# Altium PCB Sistem Tasarim PCB.PcbDoc
Units mil, origin at the board's own origin, x right, y up, seen from the top; angles counter-clockwise.
Board outline 3937.01 x 3937.01 mil, 4 copper layers (Top Layer, Int1 (GND), Int2 (PWR), Bottom Layer), stack 53.912 mil thick; 102 components, 68 nets, 320 pads, 4 vias.
Unrouted connection lines stored in the file: 131.
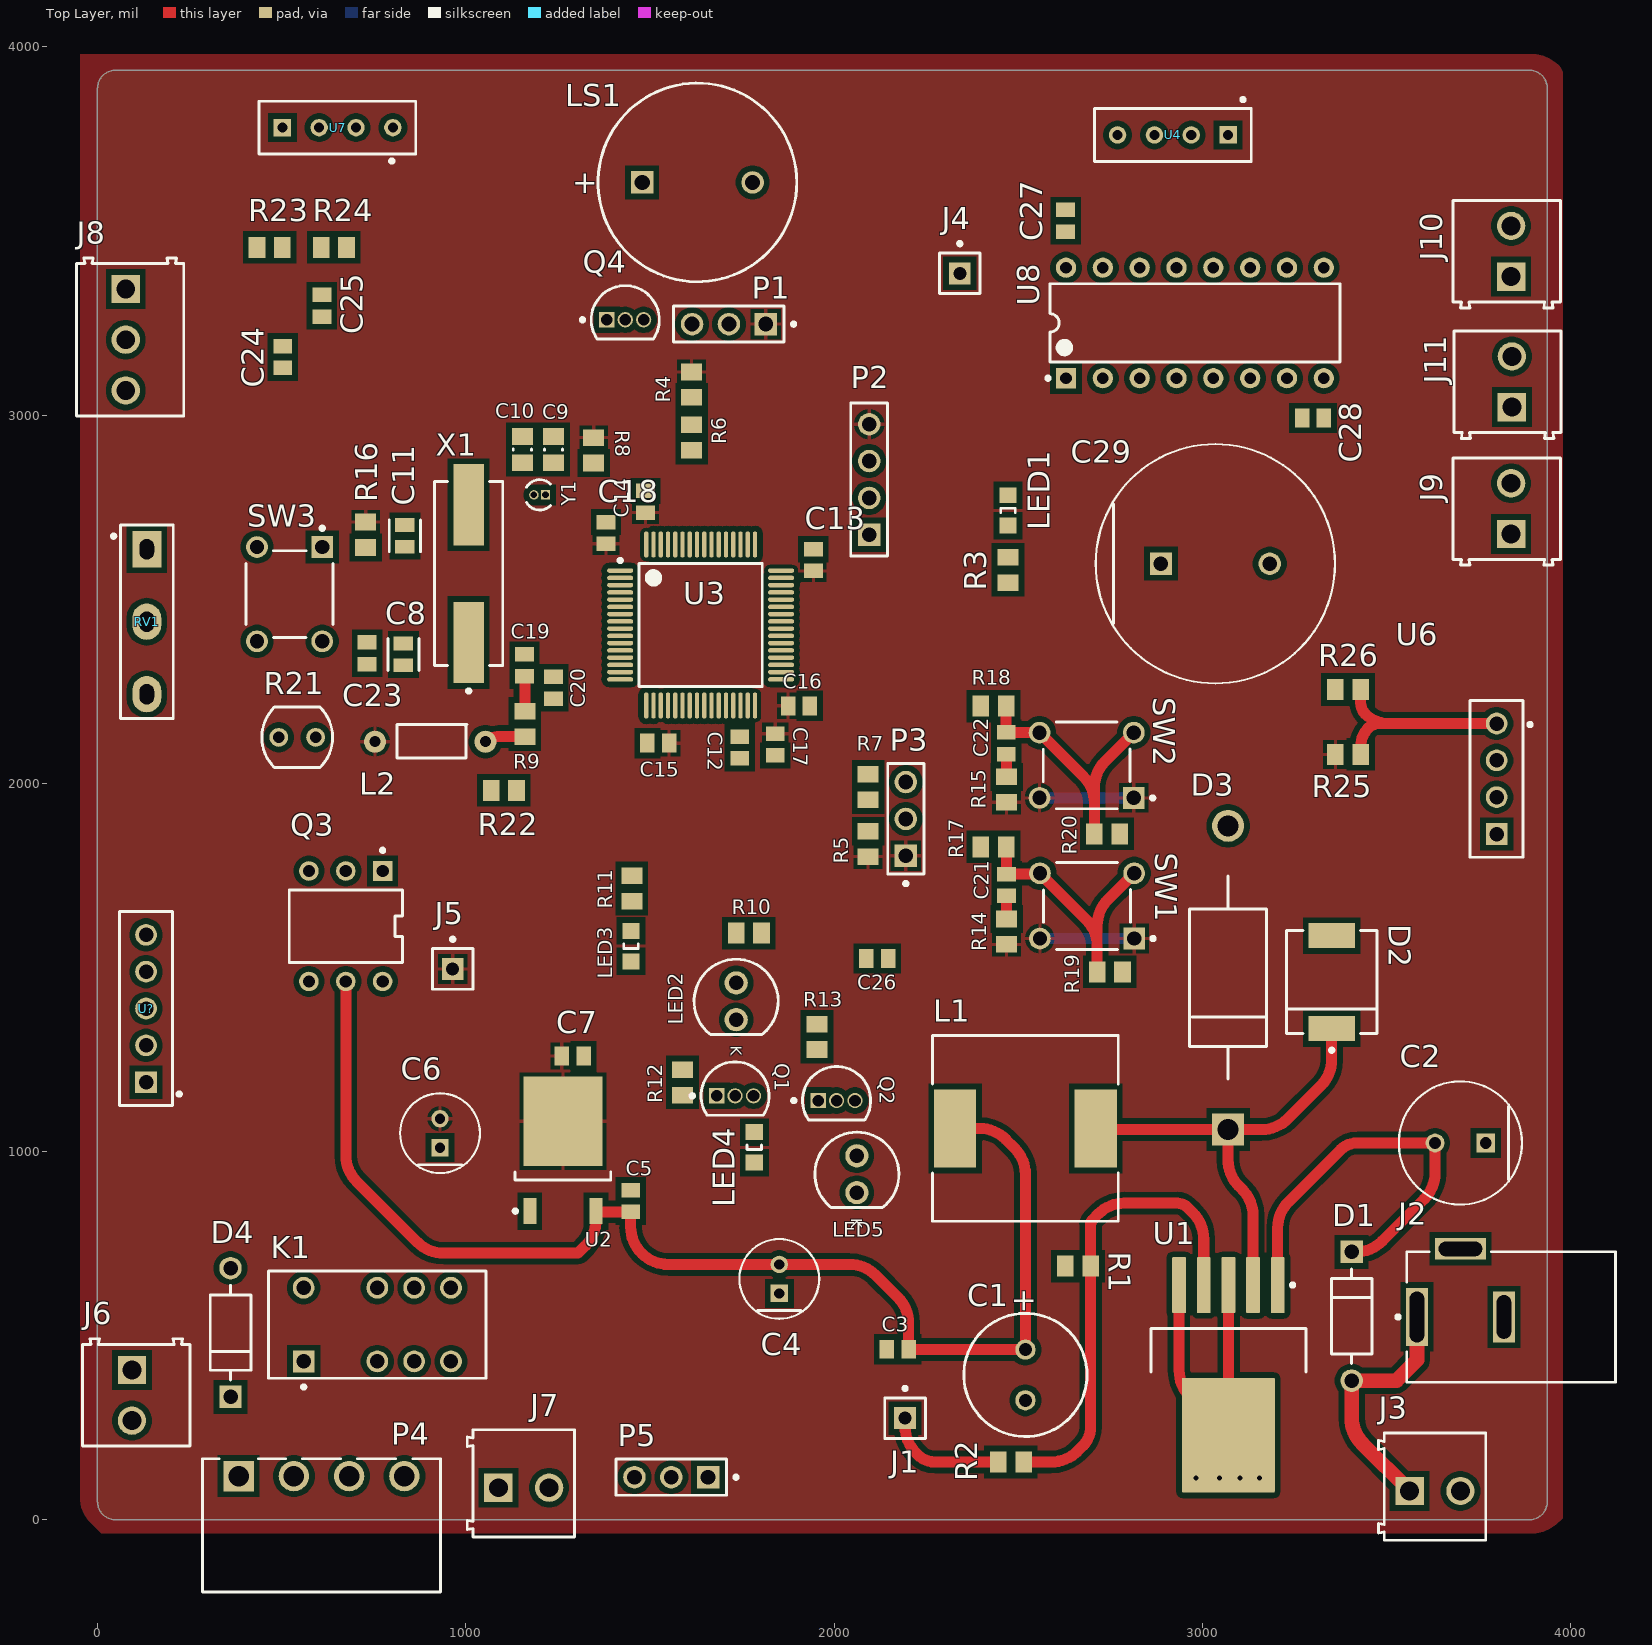
[diagram p0: Top Layer view]
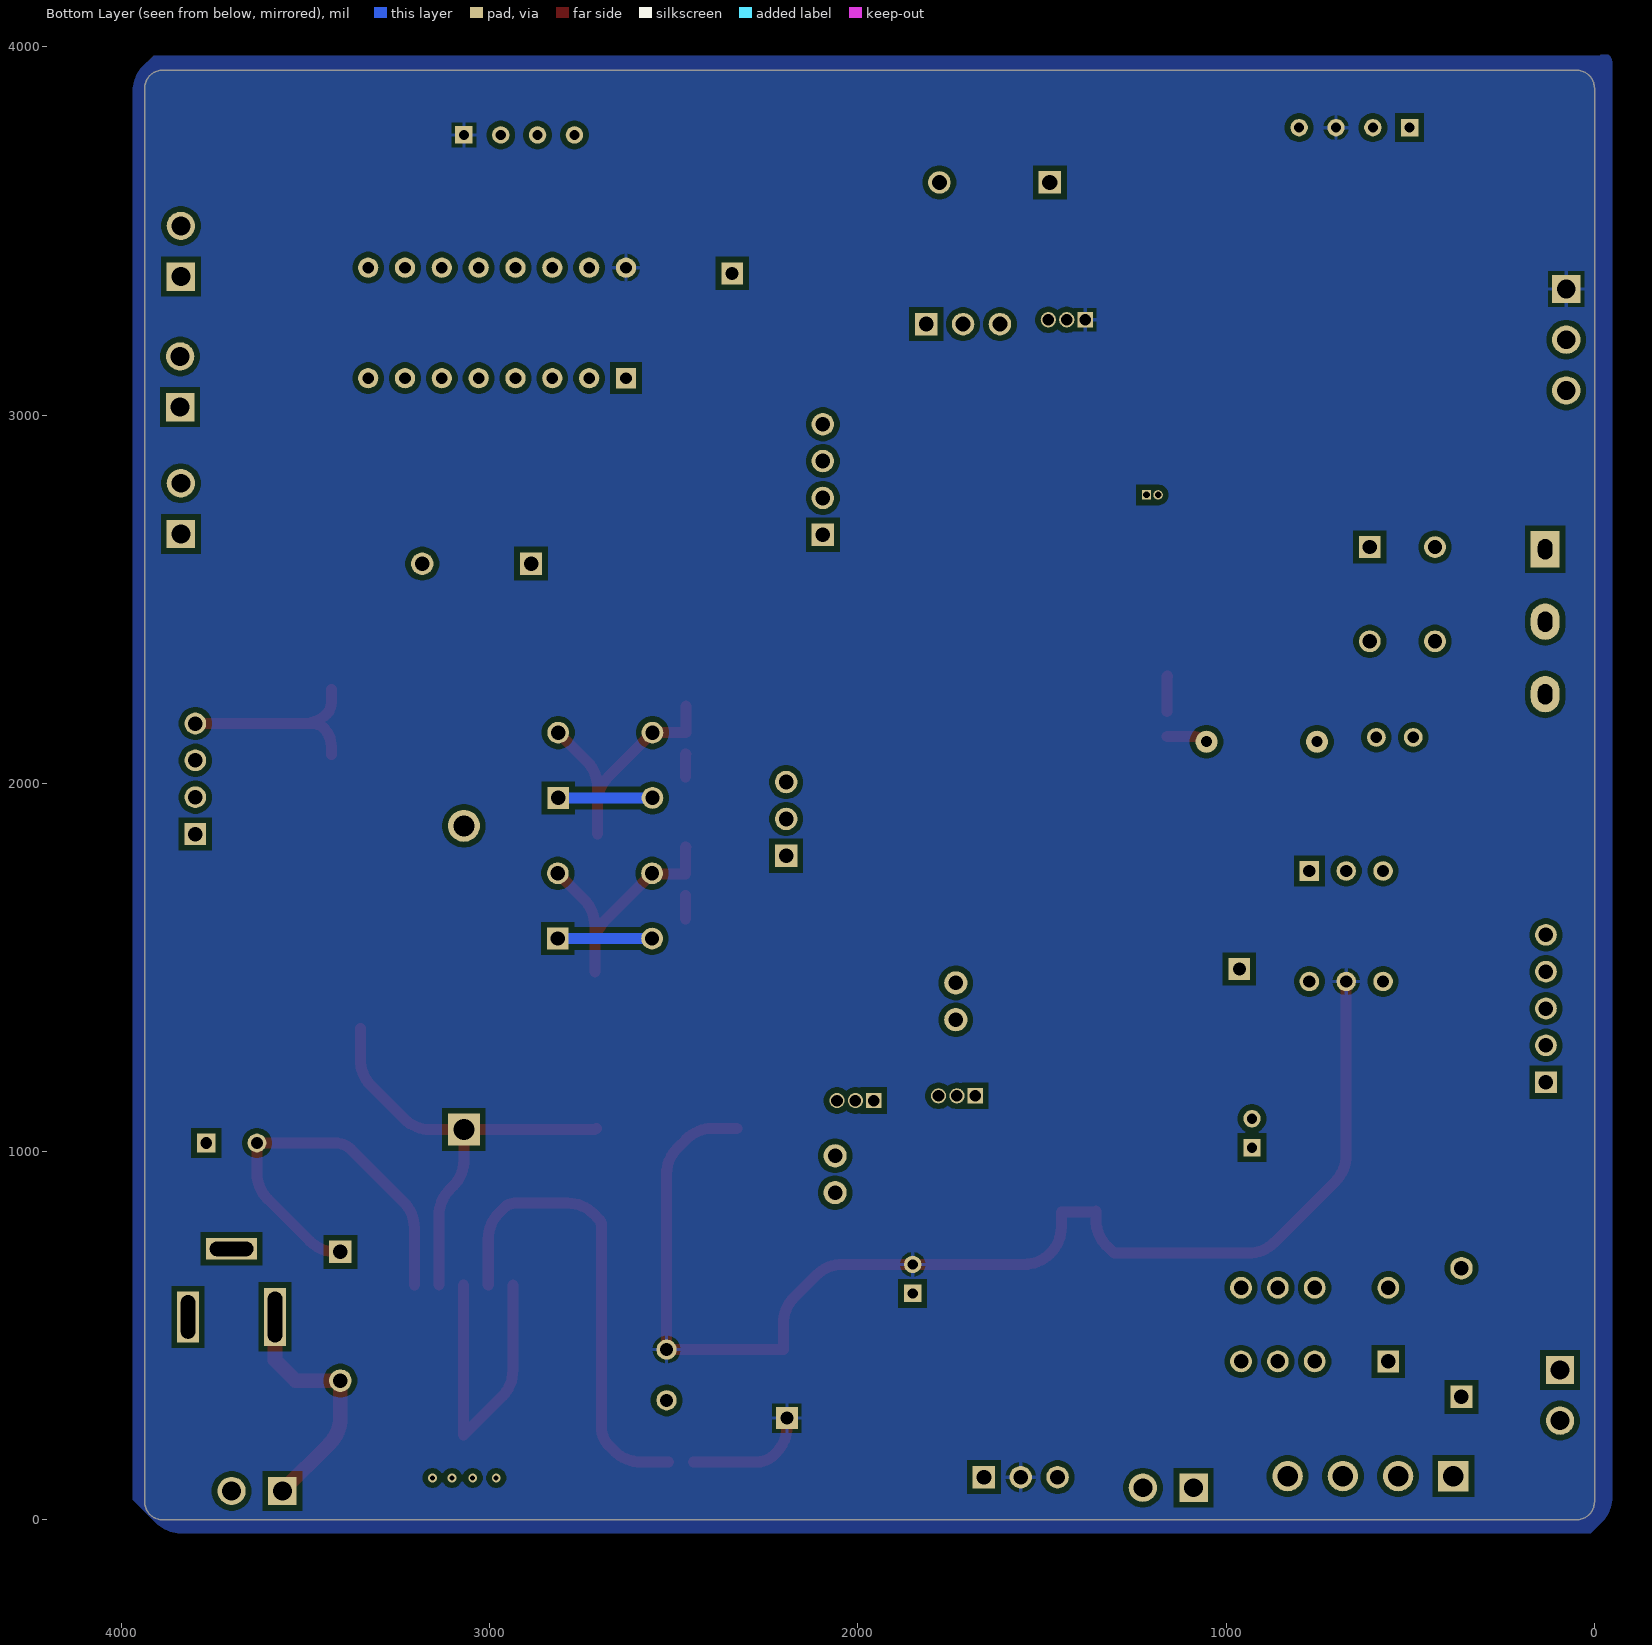
[diagram p1: Bottom Layer view, seen from below]
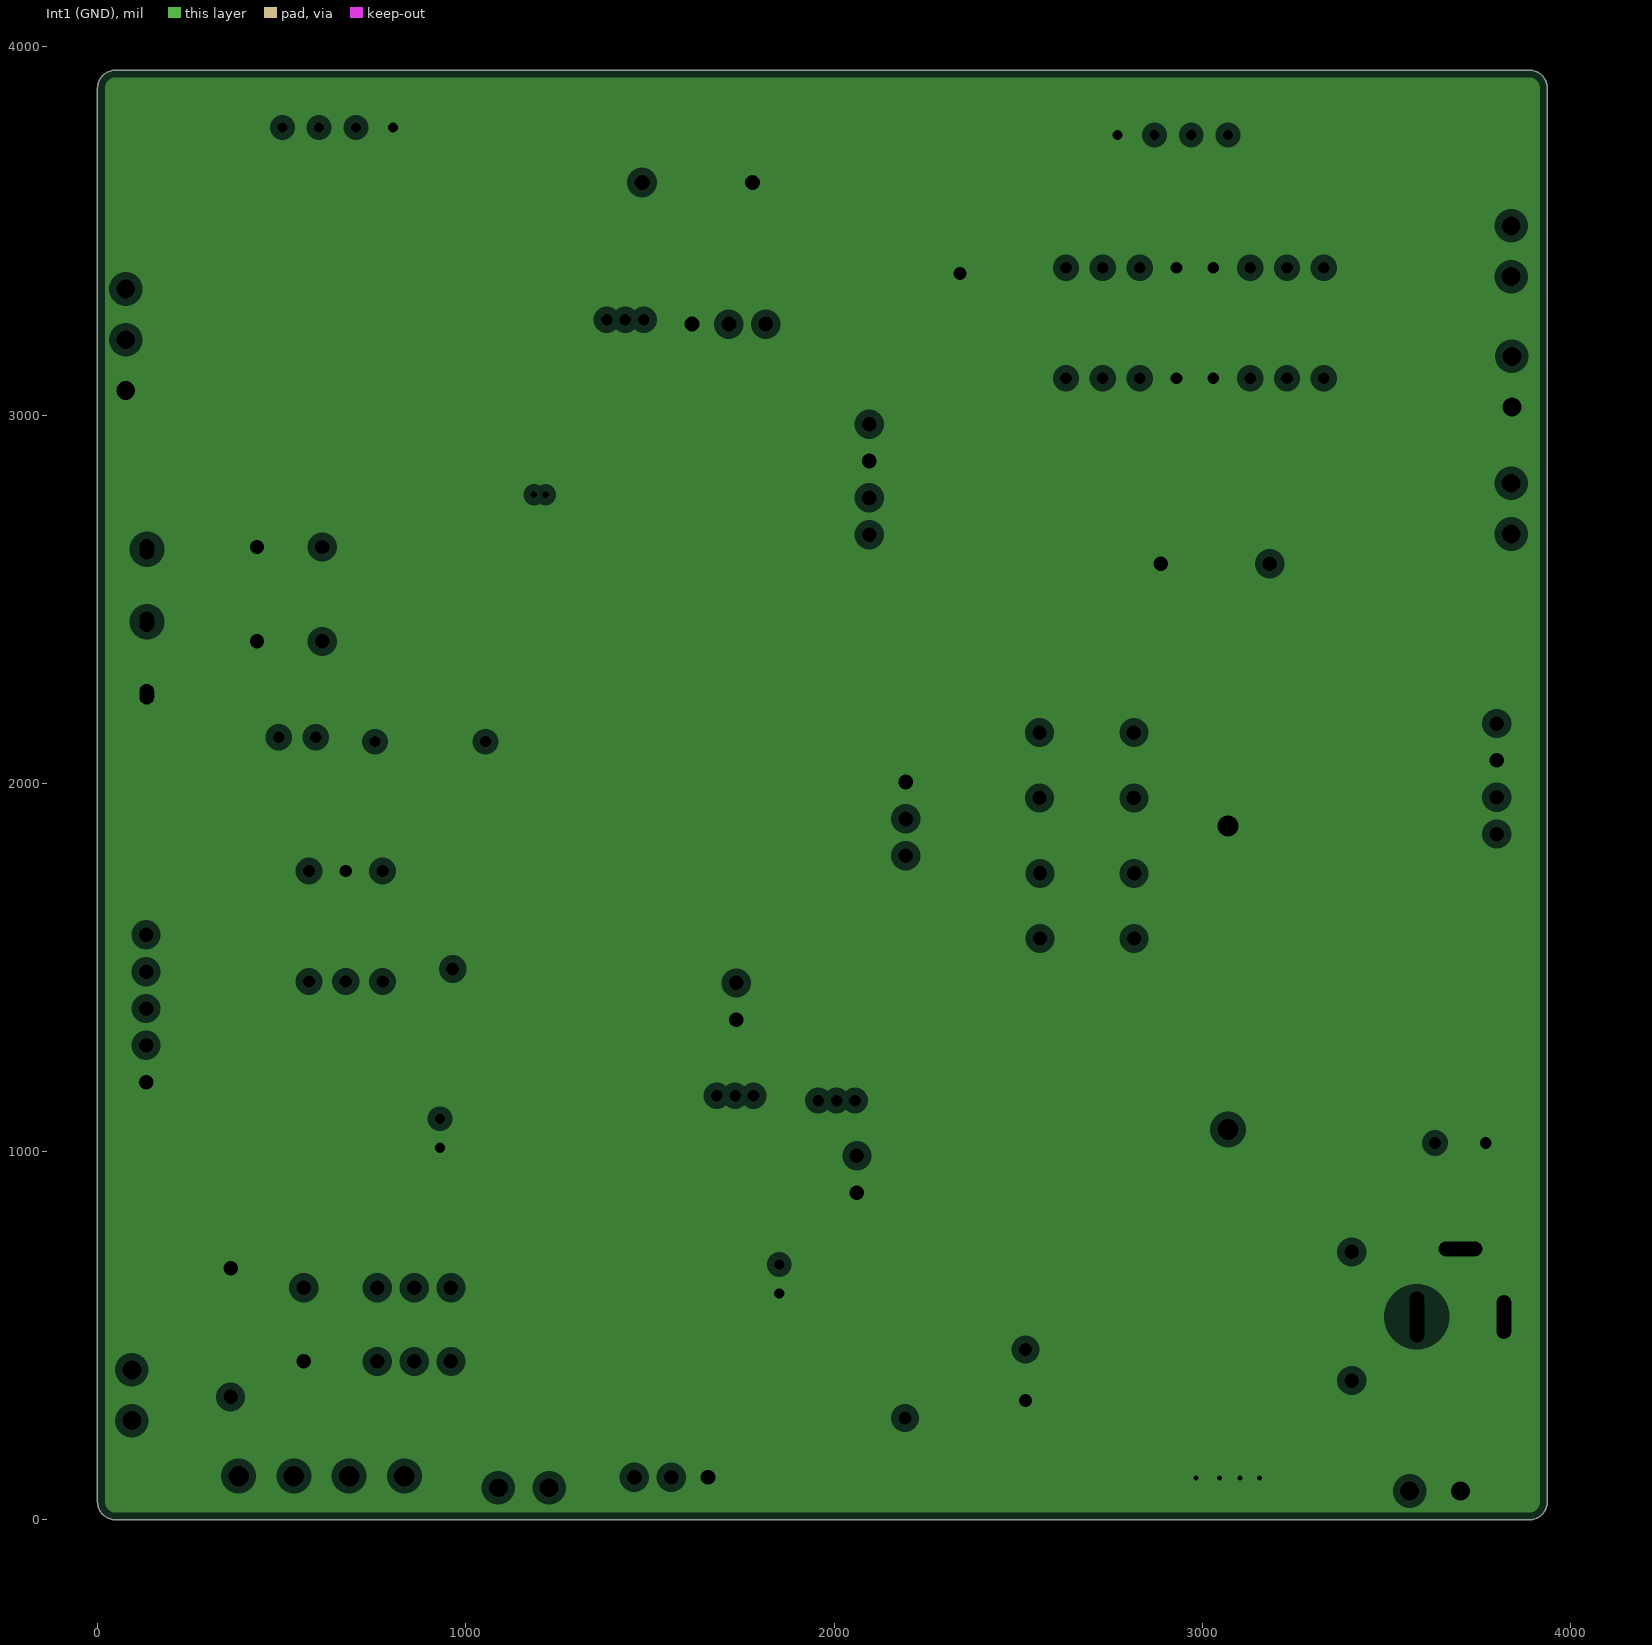
[diagram p2: Int1 (GND), clearances drawn from the general rule]
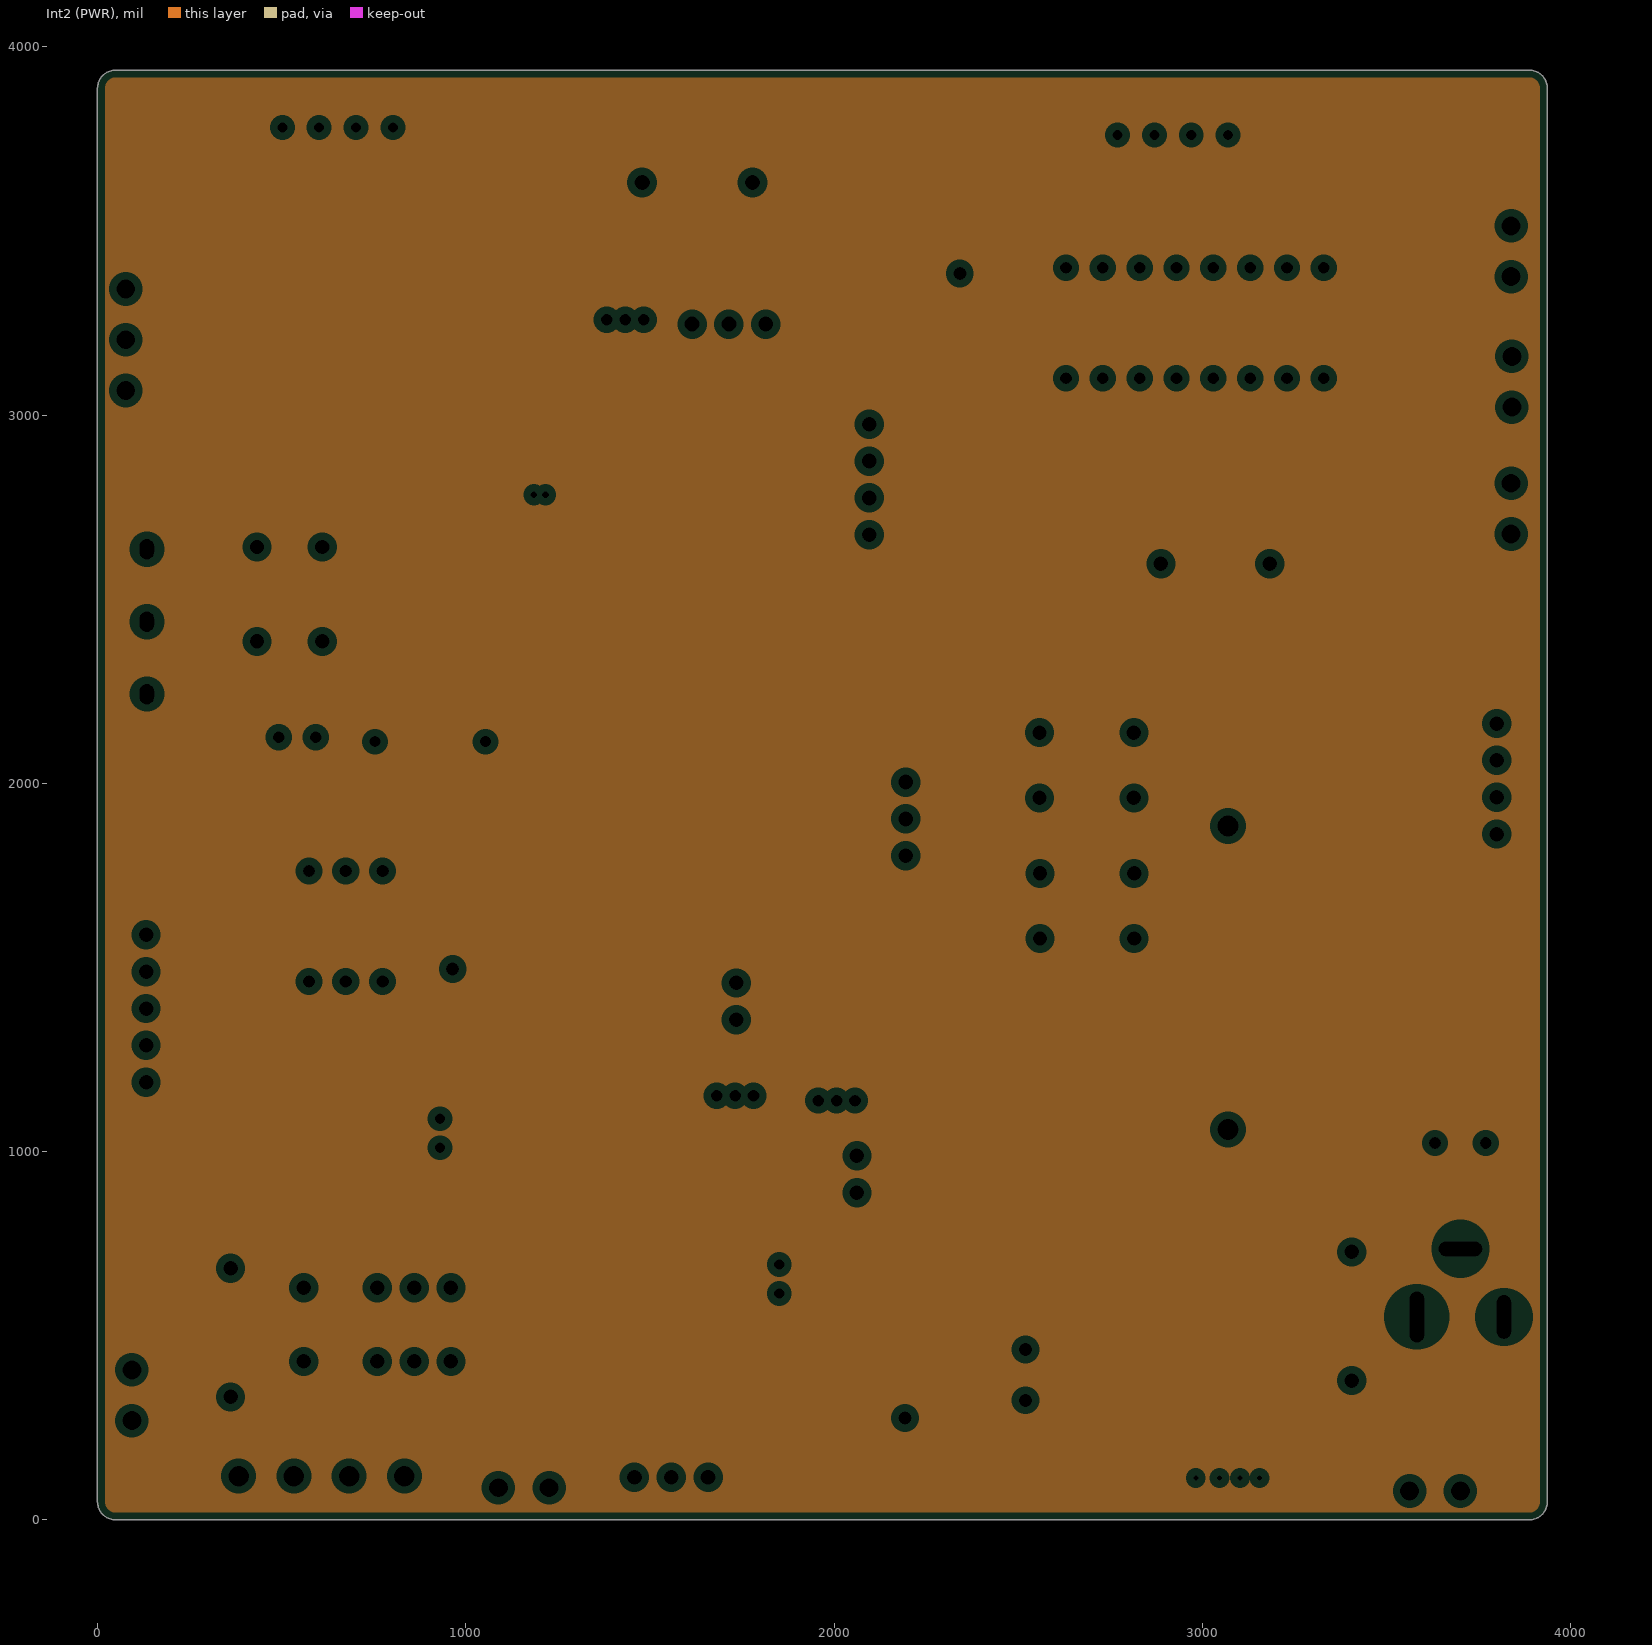
[diagram p3: Int2 (PWR), clearances drawn from the general rule]

## Layer stack, top to bottom
Top Solder: solder mask 1, SM-001, Dk 4
Top Layer: signal copper 1.378
Dielectric 1: prepreg 5.1, PP-017, Dk 4.3
Dielectric 2: prepreg 5.1, PP-017, Dk 4.3
Int1 (GND): plane copper 1.378, net GND
Dielectric 3: core 28, Core-039, Dk 4.8
Int2 (PWR): plane copper 1.378
Dielectric 4: prepreg 5.1, PP-017, Dk 4.3
Dielectric 5: prepreg 5.1, PP-017, Dk 4.3
Bottom Layer: signal copper 1.378
Bottom Solder: solder mask 1, SM-001, Dk 4

## Board outline
50,0 cw(c50,50) 0,50 0,3887.01 cw(c50,3887.01) 50,3937.01 3887.01,3937.01 cw(c3887.01,3887.01) 3937.01,3887.01 3937.01,50 cw(c3887.01,50) 3887.01,0

## Design rules (kind name [scope] priority, off if disabled: settings)
Clearance [All] p1: gap=15 ignorepadtopadclearanceinfootprint=TRUE
Height [All] p1: minheight=0 maxheight=3937.01 prefheight=500
PlaneClearance [All] p1: clearance=20
PlaneConnect [All] p1: planeconnectstyle=Relief reliefexpansion=20 reliefentries=4 reliefconductorwidth=10 reliefairgap=10
PolygonConnect [All] p1: connectstyle=Relief reliefconductorwidth=10 reliefentries=4 polygonreliefangle="90 Angle" airgapwidth=10
RoutingVias [All] p1: holewidth=28 width=50 viastyle="Through Hole" minholewidth=28 minwidth=50 maxholewidth=28 maxwidth=50
SMDToCorner [All] p1: distance=0
SolderMaskExpansion [All] p1: expansion=4 istentingtop=FALSE
Width [All] p1: maxlimit=100 minlimit=1 preferedwidth=10 minimp=50.000000 maximp=50.000000 favimp=50.000000
27 further rules are at their usual default settings.

## Components (designator, comment, footprint, x,y, rotation, side; value= is the part's Value field where it differs from the comment)
C1 "ECA-1VM221" PNSC-ECA-1VM221-2 2519.68,393.7 r270 top
C2 "EEUFR1A681" FP-RAD-TH-D_8_0_5-L_11_5-MFG 3700.79,1023.62 r180 top
C3 "GRM21BR71H105KA12L" CAPC2013X135X45LL10T25 2173.23,463.58 r0 top value=100nF
C4 "ECA2AM100" FP-RAD-TH-D_5_0_5-L_11_1-MFG 1851.38,654.53 r90 top
C5 "GRM21BR71H105KA12L" CAPC2013X135X45LL10T25 1447.83,866.14 r270 top value=100nF
C6 "ECA2AM100" FP-RAD-TH-D_5_0_5-L_11_1-MFG 930.12,1050.2 r90 top
C7 "GRM21BR71H105KA12L" CAPC2013X135X45LL10T25 1290.35,1259.84 r180 top value=100nF
C8 "22pF 0805" FP-C0805C-DN-MFG 830.71,2350.39 r270 top value="22 pF"
C9 "6.8pF 0805" CAPC0805(2012)75_N 1238.19,2906.5 r270 top value=6.8pF
C10 "6.8pF 0805" CAPC0805(2012)75_N 1153.54,2906.5 r270 top value=6.8pF
C11 "22pF 0805" FP-C0805C-DN-MFG 834.65,2672.24 r90 top value="22 pF"
C12 "GRM21BR71H105KA12L" CAPC2013X135X45LL10T25 1744.09,2097.44 r90 top value=2.2uF
C13 "GRM21BR71H105KA12L" CAPC2013X135X45LL10T25 1943.9,2606.3 r270 top value=100nF
C14 "GRM21BR71H105KA12L" CAPC2013X135X45LL10T25 1488.19,2764.76 r270 top value=100nF
C15 "GRM21BR71H105KA12L" CAPC2013X135X45LL10T25 1522.64,2109.25 r0 top value=100nF
C16 "GRM21BR71H105KA12L" CAPC2013X135X45LL10T25 1904.53,2210.63 r180 top value=100nF
C17 "GRM21BR71H105KA12L" CAPC2013X135X45LL10T25 1840.55,2105.32 r90 top value=100nF
C18 "GRM21BR71H105KA12L" CAPC2013X135X45LL10T25 1380.91,2680.12 r270 top value=100nF
C19 "GRM21BR71H105KA12L" CAPC2013X135X45LL10T25 1159.45,2320.87 r270 top value=1uF
C20 "GRM21BR71H105KA12L" CAPC2013X135X45LL10T25 1238.19,2259.84 r90 top value=100nF
C21 "GRM21BR71H105KA12L" CAPC2013X135X45LL10T25 2468.5,1724.41 r270 top value=100nF
C22 "GRM21BR71H105KA12L" CAPC2013X135X45LL10T25 2467.52,2109.25 r270 top value=100nF
C23 "GRM21BR71H105KA12L" CAPC2013X135X45LL10T25 732.28,2353.35 r90 top value=100nF
C24 "GRM21BR71H105KA12L" CAPC2013X135X45LL10T25 502.95,3157.48 r90 top value=100nF
C25 "GRM21BR71H105KA12L" CAPC2013X135X45LL10T25 609.25,3297.24 r90 top value=100nF
C26 "GRM21BR71H105KA12L" CAPC2013X135X45LL10T25 2117.13,1524.61 r180 top value=100nF
C27 "GRM21BR71H105KA12L" CAPC2013X135X45LL10T25 2628.94,3527.56 r270 top value=100nF
C28 "GRM21BR71H105KA12L" CAPC2013X135X45LL10T25 3300.2,2992.13 r0 top value=100nF
C29 "EEUFR1H102B" FP-RAD-TH-D_16_0_5-L_25_2-MFG 3035.43,2596.46 r0 top
D1 "1N4007" FP-1N4007-MFG 3405.51,553.15 r270 top value=15pF
D2 "SS34-E3/57T" FP-95402-MFG 3351.38,1460.63 r90 top
D3 "1N5822" FP-DO-201AD-MFG 3069.88,1472.44 r90 top
D4 "1N4007" FP-1N4007-MFG 361.22,508.86 r90 top value=15pF
J1 "Socket" PIN1 2192.91,276.57 r0 top
J2 "PJ-002A" CUI-PJ-002A_V 3700.79,551.18 r0 top
J3 "691214110002" 691214110002 3631.89,90.55 r0 top
J4 "Socket" PIN1 2341.54,3384.84 r0 top
J5 "Socket" PIN1 964.57,1496.06 r0 top
J6 "691214110002" 691214110002 105.32,338.58 r270 top
J7 "691214110002" 691214110002 1157.48,99.41 r0 top
J8 "691214110003" 691214110003 88.58,3204.72 r270 top
J9 "691214110002" 691214110002 3826.77,2746.06 r90 top
J10 "691214110002" 691214110002 3826.77,3444.88 r90 top
J11 "691214110002" 691214110002 3828.74,3090.55 r90 top
K1 "TX2-5V" PNSC-TX2-5V_V 759.84,530.51 r0 top
L1 "SRR1280-330M" FP-SRR1280-MFG 2519.68,1062.99 r180 top
L2 "IND 100uH THT" "INDUCTOR THT" 903.54,2113.19 r0 top
LED1 "150080RS75000" 0805_A 2472.44,2741.14 r270 top
LED2 "151051RS11000" "Type 5mm" 1734.25,1408.27 r270 top
LED3 "150080RS75000" 0805_A 1448.7,1558.03 r90 top
LED4 "150080RS75000" 0805_A 1783.46,1011.81 r90 top
LED5 "151051RS11000" "Type 5mm" 2062.01,938.78 r270 top
LS1 "KPEG242" KINGS-KPEG242-2 1628.94,3631.89 r0 top
P1 "22-28-4033" MOLX-22-28-4033_V 1714.57,3247.05 r180 top
P2 "Prog_Conn_01x04" SMTC-TSW-104-08-X-S 2095.47,2675.2 r90 top
P3 "22-28-4033" MOLX-22-28-4033_V 2194.88,1903.54 r90 top
P4 "691322310004" 691322310004 608.27,-14.76 r0 top
P5 "22-28-4033" MOLX-22-28-4033_V 1558.07,116.14 r180 top
Q1 "BC547B" ONSC-TO-92-3-29-11 1731.3,1151.57 r0 top
Q2 "BC547B" ONSC-TO-92-3-29-11 2006.89,1138.78 r0 top
Q3 "4N25" FP-4N25-MFG 674.21,1612.2 r270 top
Q4 "BC547B" ONSC-TO-92-3-29-11 1433.07,3258.86 r0 top
R1 "ERJ6ENF47R0V" RESC2013X70X40NL20T20 2662.4,688.98 r0 top value=1k
R2 "ERJ6ENF47R0V" RESC2013X70X40NL20T20 2480.31,157.48 r180 top value=3k
R3 "ERJ6ENF47R0V" RESC2013X70X40NL20T20 2472.44,2579.72 r270 top value=3k
R4 "ERJ6ENF47R0V" RESC2013X70X40NL20T20 1613.19,3082.68 r270 top value=47R
R5 "ERJ6ENF47R0V" RESC2013X70X40NL20T20 2092.52,1835.63 r90 top value=47R
R6 "ERJ6ENF47R0V" RESC2013X70X40NL20T20 1613.19,2938.98 r90 top value=47R
R7 "ERJ6ENF47R0V" RESC2013X70X40NL20T20 2092.52,1990.16 r270 top value=47R
R8 "ERJ6ENF47R0V" RESC2013X70X40NL20T20 1347.44,2904.53 r270 top value=0R
R9 "ERJ6ENF47R0V" RESC2013X70X40NL20T20 1160.43,2161.42 r90 top value=47R
R10 "ERJ6ENF47R0V" RESC2013X70X40NL20T20 1768.7,1593.5 r180 top value=100R
R11 "ERJ6ENF47R0V" RESC2013X70X40NL20T20 1450.79,1714.57 r270 top value=100R
R12 "ERJ6ENF47R0V" RESC2013X70X40NL20T20 1588.58,1187.99 r270 top value=100R
R13 "ERJ6ENF47R0V" RESC2013X70X40NL20T20 1953.74,1312.01 r270 top value=100R
R14 "ERJ6ENF47R0V" RESC2013X70X40NL20T20 2468.5,1597.44 r270 top value=100R
R15 "ERJ6ENF47R0V" RESC2013X70X40NL20T20 2468.5,1983.27 r270 top value=100R
R16 "ERJ6ENF47R0V" RESC2013X70X40NL20T20 728.35,2675.2 r90 top value=1k
R17 "ERJ6ENF47R0V" RESC2013X70X40NL20T20 2433.07,1827.76 r0 top value=330R
R18 "ERJ6ENF47R0V" RESC2013X70X40NL20T20 2433.07,2209.65 r0 top value=330R
R19 "ERJ6ENF47R0V" RESC2013X70X40NL20T20 2749.02,1488.19 r180 top value=220k
R20 "ERJ6ENF47R0V" RESC2013X70X40NL20T20 2741.14,1863.19 r180 top value=220k
R21 "VT90N1" EXCE-VT90N1 542.32,2125 r0 top
R22 "ERJ6ENF47R0V" RESC2013X70X40NL20T20 1103.35,1981.3 r180 top value=10k